# Altium PCB OctopusPB_r0102.PcbDoc (part 9 of 10)
Units mm, origin at the board's own origin, x right, y up, seen from the top; angles counter-clockwise.
Board outline 318 x 80 mm, 4 copper layers (Top Layer, Layer 1, Layer 2, Bottom Layer), stack 1.62 mm thick; 806 components, 346 nets, 2957 pads, 6733 vias.
Unrouted connection lines stored in the file: 1143.
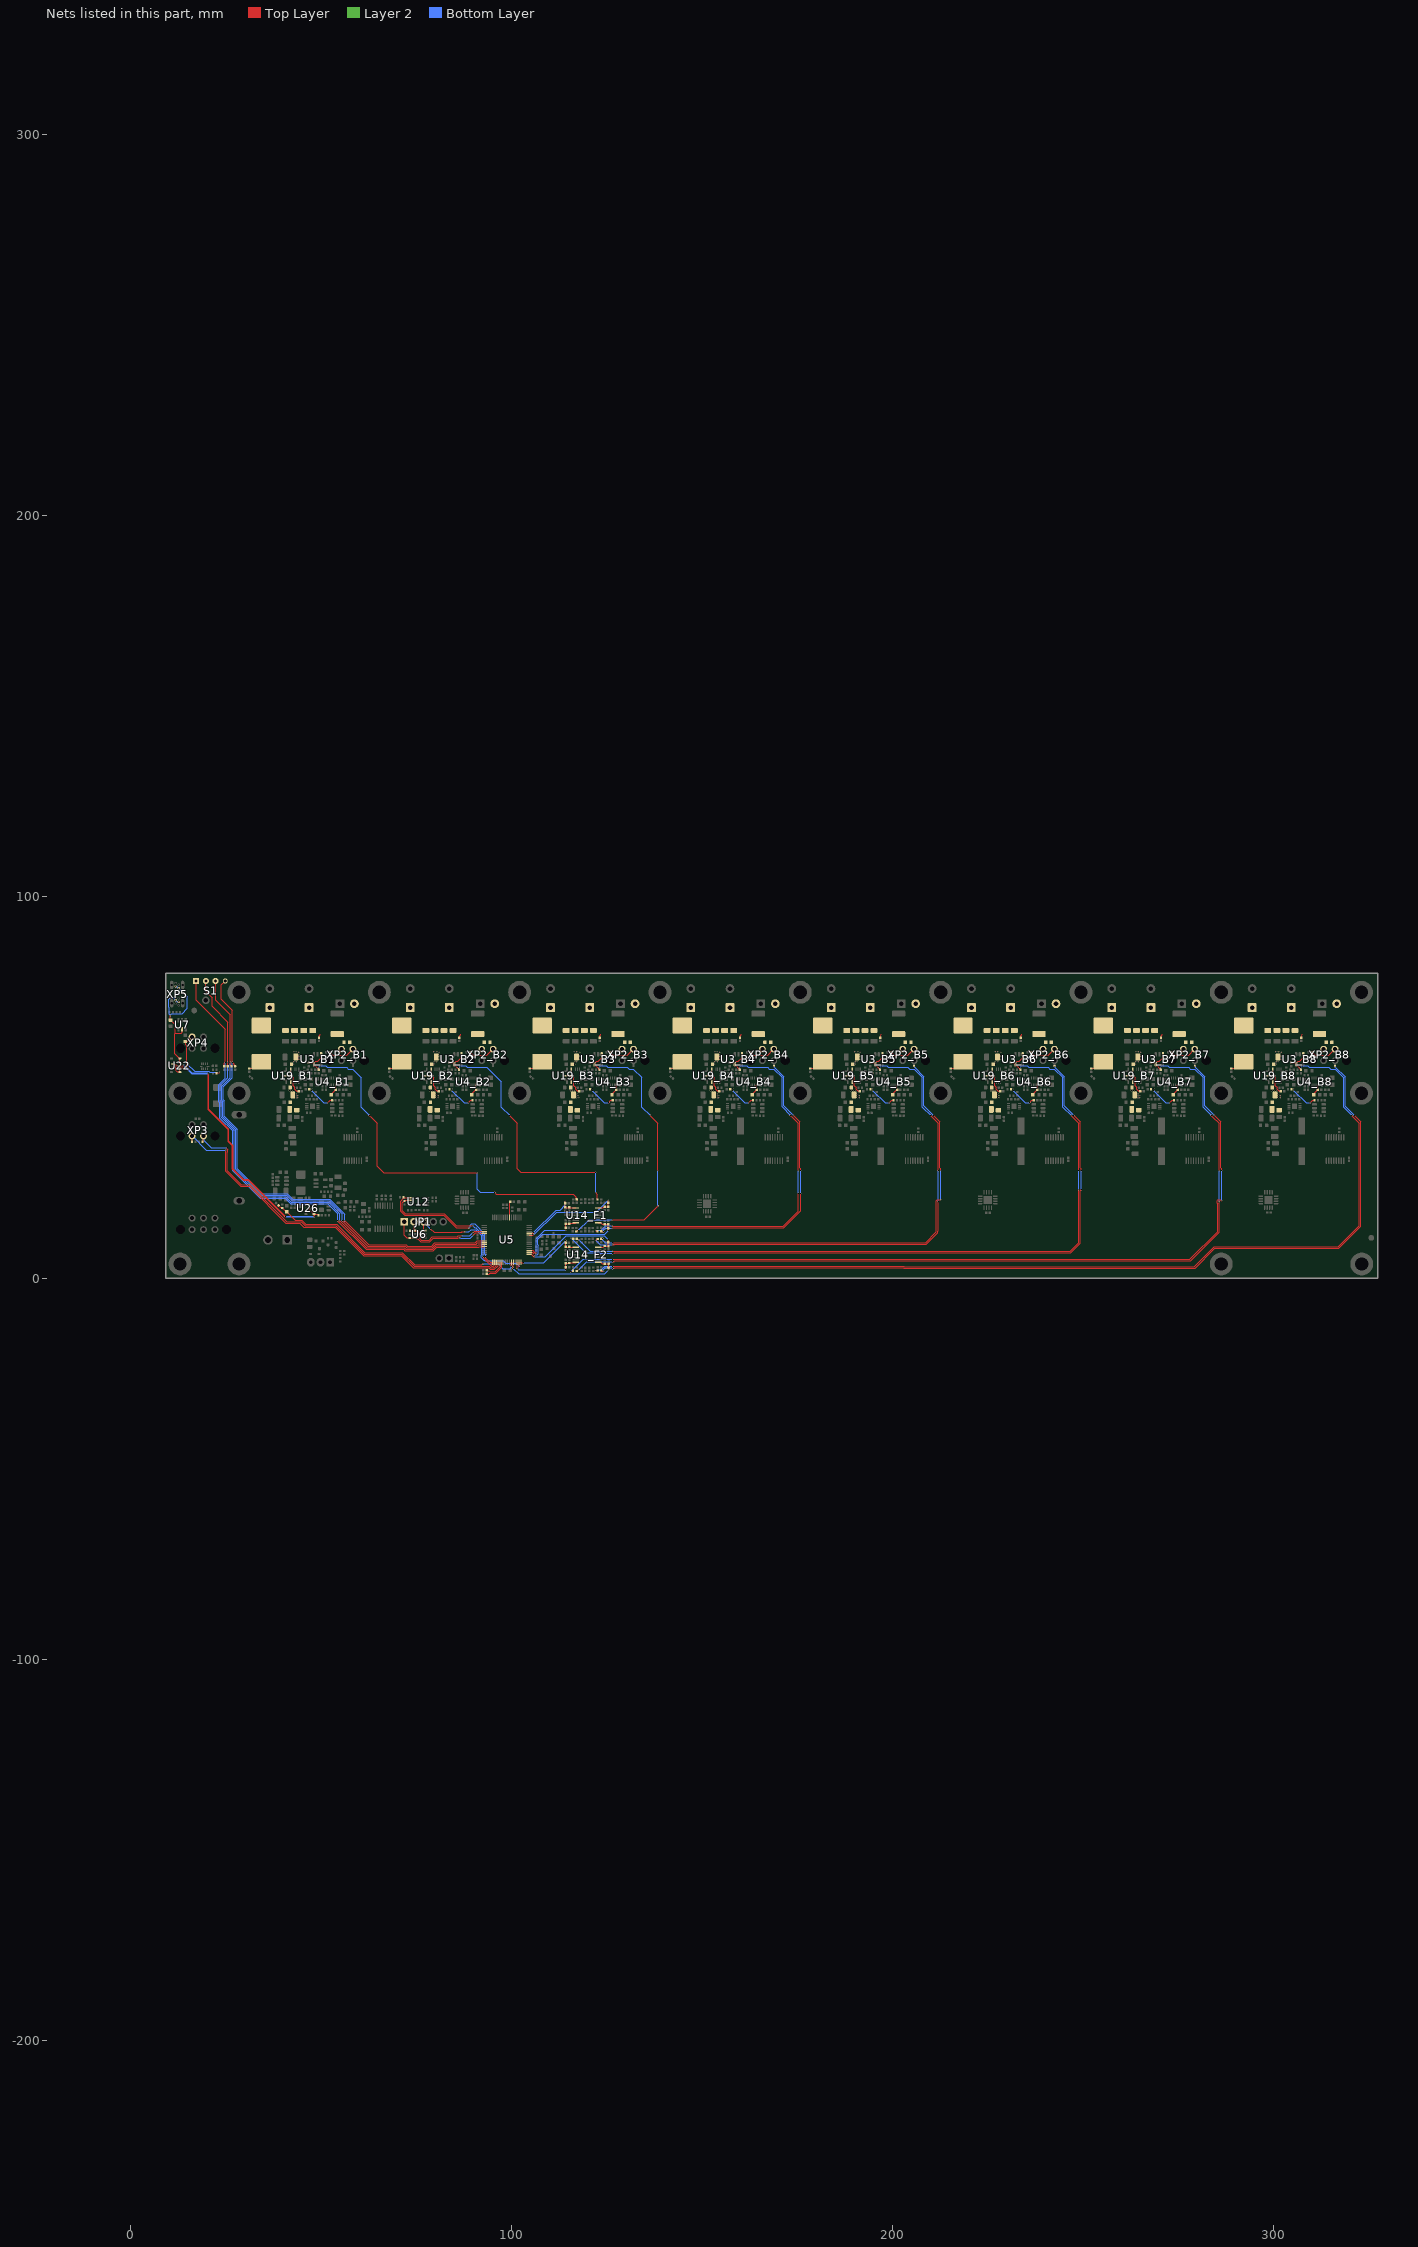
[diagram p11: the nets of this part, all layers, seen from the top]

## Via types
v1: diameter 0.4, hole 0.2, Top Layer to Bottom Layer, tented both sides, 6713 vias
v2: diameter 0.5, hole 0.2, Top Layer to Bottom Layer, tented both sides, 20 vias

## Nets (pads, with @x,y where several pads share a name; then routed paths per layer and width w, separated by ;. In a path a pad name is that pad's centre, name@x,y a point inside that pad or via, vN(x,y) a via of type N, cw(c..) or ccw(c..) an arc to the next point about the centre after c; other vN are vias at no path point) (continued)
PGND_ADC4: R16_F1.2 X1_B4.2 | length 95.6
  Top Layer w0.2: R16_F1.2@123.5,12.285 123.635,12.15 124.125,12.15 v1(124.15,12.175) ; v1(126.425,13.125) 126.55,13.25 171.466,13.25 175.85,17.634 v1(175.85,22.225) ; v1(173.875,42.725) 175.6,41 175.6,29 175.85,28.75 v1(175.85,28.2)
  Bottom Layer w0.2: v1(124.15,12.175) 124.188,12.213 124.188,12.64 124.673,13.125 v1(126.425,13.125) ; v1(168.8,55.425) 171.382,52.843 171.382,45.218 v1(173.875,42.725) ; v1(175.85,22.225) v1(175.85,28.2)
PGND_ADC5: R61_F2.2 X1_B5.2 | length 137.2
  Top Layer w0.2: R61_F2.2@123.525,10.295 123.567,10.337 123.873,10.337 v1(123.911,10.375) ; v1(126.55,9.275) 208.65,9.275 211.475,12.1 211.475,20.333 211.667,20.525 v1(212.675,20.525) ; v1(210.7,42.725) 212.425,41 212.425,29 212.675,28.75 v1(212.675,28.2)
  Bottom Layer w0.2: v1(123.911,10.375) 123.933,10.354 123.933,9.875 124.533,9.275 v1(126.55,9.275) ; v1(205.625,55.425) 208.214,52.836 208.214,45.211 v1(210.7,42.725) ; v1@212.675,20.5 v1(212.675,28.2)
PGND_ADC6: R53_F2.2 X1_B6.2 | length 186.5
  Top Layer w0.2: v1(115.6,10.45) 115.625,10.425 116.07,10.425 R53_F2.2@116.2,10.295 ; v1(126.556,6.425) 126.594,6.464 126.914,6.464 127.1,6.65 246.816,6.65 249.275,9.109 249.275,22.875 249.375,22.975 249.375,23.046 249.5,23.171 v1(249.5,23.225) ; v1(247.525,42.725) 249.25,41 249.25,29 249.5,28.75 v1(249.5,28.2)
  Bottom Layer w0.2: v1(115.6,10.45) 119.45,6.6 123.002,6.6 123.052,6.55 126.439,6.55 126.556,6.433 v1(126.556,6.425) ; v1(242.45,55.425) 245.046,52.829 245.046,45.204 v1(247.525,42.725) ; v1(249.5,23.225) v1(249.5,28.2)
PGND_ADC7: R60_F2.2 X1_B7.2 | length 222.4
  Top Layer w0.2: v1(115.525,1.7) 115.575,1.7 115.6,1.725 115.94,1.725 R60_F2.2@116.125,1.91 ; v1(126.525,4.925) 126.563,4.887 126.913,4.887 126.952,4.925 278.034,4.925 285.275,12.166 285.275,19.55 285.15,19.675 285.15,20.3 285.375,20.525 285.971,20.525 286.271,20.225 v1(286.325,20.225) ; v1(284.35,42.725) 286.075,41 286.075,29 286.325,28.75 v1(286.325,28.2)
  Bottom Layer w0.2: v1(115.525,1.7) 118.75,4.925 v1(126.525,4.925) ; v1(279.275,55.425) 281.904,52.796 281.904,45.171 v1(284.35,42.725) ; v1@286.325,20.325 v1(286.325,28.2)
PGND_ADC8: R16_F2.2 X1_B8.2 | length 249.4
  Top Layer w0.2: R16_F2.2@123.55,1.935 123.685,1.8 124.175,1.8 v1(124.2,1.825) ; v1(126.5,2.5) 126.538,2.538 126.888,2.538 127.05,2.7 202.824,2.7 202.899,2.625 279.377,2.625 284.552,7.8 317.141,7.8 322.9,13.559 322.9,41 v1(321.175,42.725)
  Bottom Layer w0.2: v1(124.2,1.825) 124.238,1.863 124.238,2.29 124.598,2.65 126.243,2.65 126.293,2.6 126.346,2.6 126.446,2.5 v1(126.5,2.5) ; v1(316.1,55.425) 318.76,52.765 318.76,45.14 v1(321.175,42.725)
PH_B1: C71_B1.1 L2_B1.1 R6_B1.1 U19_B1.10 | length 11.9
  Top Layer w0.2: L2_B1.1@32.375,55.03 32.605,55.03 L2_B1.1@34.35,56.775 ; U19_B1.10@41.4,53.075 41.475,53 41.9,53 41.925,52.975 42.275,52.975 42.275,52.95 42.7,52.525 ; 42.7,50.6 42.7,52.525 ; C71_B1.1@44.241,49.069 43.655,49.069 43.14,49.584 43.14,50.06 42.7,50.5 42.7,52.525
  Top Layer w0.3: R6_B1.1@31.125,55.03 31.15,55.055 32.35,55.055 L2_B1.1@32.375,55.03
PH_B2: C71_B2.1 L2_B2.1 R6_B2.1 U19_B2.10 | length 11.9
  Top Layer w0.2: L2_B2.1@69.2,55.03 69.43,55.03 L2_B2.1@71.175,56.775 ; U19_B2.10@78.225,53.075 78.3,53 78.725,53 78.75,52.975 79.1,52.975 79.1,52.95 79.525,52.525 ; 79.525,50.6 79.525,52.525 ; C71_B2.1@81.066,49.069 80.48,49.069 79.965,49.584 79.965,50.06 79.525,50.5 79.525,52.525
  Top Layer w0.3: R6_B2.1@67.95,55.03 67.975,55.055 69.175,55.055 L2_B2.1@69.2,55.03
PH_B3: C71_B3.1 L2_B3.1 R6_B3.1 U19_B3.10 | length 11.9
  Top Layer w0.2: L2_B3.1@106.025,55.03 106.255,55.03 L2_B3.1@108,56.775 ; U19_B3.10@115.05,53.075 115.125,53 115.55,53 115.575,52.975 115.925,52.975 115.925,52.95 116.35,52.525 ; 116.35,50.6 116.35,52.525 ; C71_B3.1@117.891,49.069 117.305,49.069 116.79,49.584 116.79,50.06 116.35,50.5 116.35,52.525
  Top Layer w0.3: R6_B3.1@104.775,55.03 104.8,55.055 106,55.055 L2_B3.1@106.025,55.03
PH_B4: C71_B4.1 L2_B4.1 R6_B4.1 U19_B4.10 | length 11.9
  Top Layer w0.2: L2_B4.1@142.85,55.03 143.08,55.03 L2_B4.1@144.825,56.775 ; U19_B4.10@151.875,53.075 151.95,53 152.375,53 152.4,52.975 152.75,52.975 152.75,52.95 153.175,52.525 ; 153.175,50.6 153.175,52.525 ; C71_B4.1@154.716,49.069 154.13,49.069 153.615,49.584 153.615,50.06 153.175,50.5 153.175,52.525
  Top Layer w0.3: R6_B4.1@141.6,55.03 141.625,55.055 142.825,55.055 L2_B4.1@142.85,55.03
PH_B5: C71_B5.1 L2_B5.1 R6_B5.1 U19_B5.10 | length 11.9
  Top Layer w0.2: L2_B5.1@179.675,55.03 179.905,55.03 L2_B5.1@181.65,56.775 ; U19_B5.10@188.7,53.075 188.775,53 189.2,53 189.225,52.975 189.575,52.975 189.575,52.95 190,52.525 ; 190,50.6 190,52.525 ; C71_B5.1@191.541,49.069 190.955,49.069 190.44,49.584 190.44,50.06 190,50.5 190,52.525
  Top Layer w0.3: R6_B5.1@178.425,55.03 178.45,55.055 179.65,55.055 L2_B5.1@179.675,55.03
PH_B6: C71_B6.1 L2_B6.1 R6_B6.1 U19_B6.10 | length 11.9
  Top Layer w0.2: L2_B6.1@216.5,55.03 216.73,55.03 L2_B6.1@218.475,56.775 ; U19_B6.10@225.525,53.075 225.6,53 226.025,53 226.05,52.975 226.4,52.975 226.4,52.95 226.825,52.525 ; 226.825,50.6 226.825,52.525 ; C71_B6.1@228.366,49.069 227.78,49.069 227.265,49.584 227.265,50.06 226.825,50.5 226.825,52.525
  Top Layer w0.3: R6_B6.1@215.25,55.03 215.275,55.055 216.475,55.055 L2_B6.1@216.5,55.03
PH_B7: C71_B7.1 L2_B7.1 R6_B7.1 U19_B7.10 | length 11.9
  Top Layer w0.2: L2_B7.1@253.325,55.03 253.555,55.03 L2_B7.1@255.3,56.775 ; U19_B7.10@262.35,53.075 262.425,53 262.85,53 262.875,52.975 263.225,52.975 263.225,52.95 263.65,52.525 ; 263.65,50.6 263.65,52.525 ; C71_B7.1@265.191,49.069 264.605,49.069 264.09,49.584 264.09,50.06 263.65,50.5 263.65,52.525
  Top Layer w0.3: R6_B7.1@252.075,55.03 252.1,55.055 253.3,55.055 L2_B7.1@253.325,55.03
PH_B8: C71_B8.1 L2_B8.1 R6_B8.1 U19_B8.10 | length 11.9
  Top Layer w0.2: L2_B8.1@290.15,55.03 290.38,55.03 L2_B8.1@292.125,56.775 ; U19_B8.10@299.175,53.075 299.25,53 299.675,53 299.7,52.975 300.05,52.975 300.05,52.95 300.475,52.525 ; 300.475,50.6 300.475,52.525 ; C71_B8.1@302.016,49.069 301.43,49.069 300.915,49.584 300.915,50.06 300.475,50.5 300.475,52.525
  Top Layer w0.3: R6_B8.1@288.9,55.03 288.925,55.055 290.125,55.055 L2_B8.1@290.15,55.03
PVIN_B1: C7_B1.1 C11_B1.1 C29_B1.1 C30_B1.1 C68_B1.1 C69_B1.1 FB1_B1.2 U19_B1.8 U19_B1.12
  other v1: 43.925,47.3 43.45,47.325 43.9,47.825 43.45,47.85 43.45,48.375 41.7,49.2 42.225,49.2 42.75,49.2 42.875,56.1 42.875,56.7 43.475,56.7 44.225,57.45 44.225,58.05 44.225,58.65 44.2,59.3 42.8,59.325 43.5,59.325
PVIN_B2: C7_B2.1 C11_B2.1 C29_B2.1 C30_B2.1 C68_B2.1 C69_B2.1 FB1_B2.2 U19_B2.8 U19_B2.12
  other v1: 80.75,47.3 80.275,47.325 80.725,47.825 80.275,47.85 80.275,48.375 78.525,49.2 79.05,49.2 79.575,49.2 79.7,56.1 79.7,56.7 80.3,56.7 81.05,57.45 81.05,58.05 81.05,58.65 81.025,59.3 79.625,59.325 80.325,59.325
PVIN_B3: C7_B3.1 C11_B3.1 C29_B3.1 C30_B3.1 C68_B3.1 C69_B3.1 FB1_B3.2 U19_B3.8 U19_B3.12
  other v1: 117.575,47.3 117.1,47.325 117.55,47.825 117.1,47.85 117.1,48.375 115.35,49.2 115.875,49.2 116.4,49.2 116.525,56.1 116.525,56.7 117.125,56.7 117.875,57.45 117.875,58.05 117.875,58.65 117.85,59.3 116.45,59.325 117.15,59.325
PVIN_B4: C7_B4.1 C11_B4.1 C29_B4.1 C30_B4.1 C68_B4.1 C69_B4.1 FB1_B4.2 U19_B4.8 U19_B4.12
  other v1: 154.4,47.3 153.925,47.325 154.375,47.825 153.925,47.85 153.925,48.375 152.175,49.2 152.7,49.2 153.225,49.2 153.35,56.1 153.35,56.7 153.95,56.7 154.7,57.45 154.7,58.05 154.7,58.65 154.675,59.3 153.275,59.325 153.975,59.325
PVIN_B5: C7_B5.1 C11_B5.1 C29_B5.1 C30_B5.1 C68_B5.1 C69_B5.1 FB1_B5.2 U19_B5.8 U19_B5.12
  other v1: 191.225,47.3 190.75,47.325 191.2,47.825 190.75,47.85 190.75,48.375 189,49.2 189.525,49.2 190.05,49.2 190.175,56.1 190.175,56.7 190.775,56.7 191.525,57.45 191.525,58.05 191.525,58.65 191.5,59.3 190.1,59.325 190.8,59.325
PVIN_B6: C7_B6.1 C11_B6.1 C29_B6.1 C30_B6.1 C68_B6.1 C69_B6.1 FB1_B6.2 U19_B6.8 U19_B6.12
  other v1: 228.05,47.3 227.575,47.325 228.025,47.825 227.575,47.85 227.575,48.375 225.825,49.2 226.35,49.2 226.875,49.2 227,56.1 227,56.7 227.6,56.7 228.35,57.45 228.35,58.05 228.35,58.65 228.325,59.3 226.925,59.325 227.625,59.325
PVIN_B7: C7_B7.1 C11_B7.1 C29_B7.1 C30_B7.1 C68_B7.1 C69_B7.1 FB1_B7.2 U19_B7.8 U19_B7.12
  other v1: 264.875,47.3 264.4,47.325 264.85,47.825 264.4,47.85 264.4,48.375 262.65,49.2 263.175,49.2 263.7,49.2 263.825,56.1 263.825,56.7 264.425,56.7 265.175,57.45 265.175,58.05 265.175,58.65 265.15,59.3 263.75,59.325 264.45,59.325
PVIN_B8: C7_B8.1 C11_B8.1 C29_B8.1 C30_B8.1 C68_B8.1 C69_B8.1 FB1_B8.2 U19_B8.8 U19_B8.12
  other v1: 301.7,47.3 301.225,47.325 301.675,47.825 301.225,47.85 301.225,48.375 299.475,49.2 300,49.2 300.525,49.2 300.65,56.1 300.65,56.7 301.25,56.7 302,57.45 302,58.05 302,58.65 301.975,59.3 300.575,59.325 301.275,59.325
PWR_IN_SNS: C75.1 R82.2 R86.2 U5.11 | length 69.6
  Top Layer w0.2: R82.2@38.822,19.028 39.295,18.555 39.64,18.555 R86.2@39.825,18.37 39.865,18.37 40.485,17.75 40.65,17.75 C75.1@41,17.4 43.2,15.2 44.948,15.2 46.048,14.1 54.087,14.1 61.487,6.7 71.341,6.7 74.541,3.5 92.225,3.5 v1(92.5,3.775) ; v1@99.972,3.201 99.972,4.09 U5.11@99.991,4.109
  Layer 2 w0.2: v1(100,3.025) v1@100.038,3.063
  Bottom Layer w0.2: v1(92.5,3.775) 92.538,3.737 96.463,3.737 97.7,2.5 99.696,2.5 99.962,2.766 99.962,2.986 v1(100,3.025)
RSW1: R106.1 S1.1 U5.60 | length 132.6
  Top Layer w0.2: S1.1@17.235,77.95 17.235,72.95 24.9,65.285 v1(24.9,56.625) 24.625,56.35 24.625,55.61 R106.1@24.6,55.585 ; v1(54.328,15.076) 54.328,15.06 54.293,15.025 61.818,7.5 71.672,7.5 71.997,7.175 79.494,7.175 80.369,8.05 87.486,8.05 87.511,8.075 91.384,8.075 91.568,8.259 U5.60@92.816,8.259
  Bottom Layer w0.2: v1(24.9,56.625) 24.9,52.42 23.175,50.695 23.175,46.305 23.45,46.03 23.45,41.978 26.825,38.603 26.825,28.178 34.103,20.9 40.621,20.9 42.071,19.45 51.698,19.45 54.328,16.821 v1(54.328,15.076)
RSW2: R107.1 S1.2 U5.59 | length 131.2
  Top Layer w0.2: S1.2@19.775,77.95 19.775,75.225 21.4,73.6 21.4,71.325 25.55,67.175 v1(25.55,56.6) R107.1@25.55,55.585 ; v1(54.95,15.075) 54.95,14.975 62.025,7.9 71.848,7.9 72.173,7.575 79.328,7.575 80.203,8.45 87.32,8.45 87.345,8.475 91.045,8.475 91.33,8.759 U5.59@92.816,8.759
  Bottom Layer w0.2: v1(25.55,56.6) 25.55,52.505 23.575,50.53 23.575,46.47 23.85,46.195 23.85,42.144 27.225,38.769 27.225,28.344 34.269,21.3 40.787,21.3 42.237,19.85 52.016,19.85 54.95,16.916 v1(54.95,15.075)
RSW3: R108.1 S1.4 U5.58 | length 129.9
  Top Layer w0.2: S1.4@22.315,77.95 22.315,72.95 26.151,69.114 v1(26.151,56.6) 26.151,55.985 26.5,55.636 R108.1@26.5,55.585 ; v1(55.625,15.05) 55.625,14.975 62.3,8.3 72.123,8.3 72.448,7.975 79.163,7.975 80.038,8.85 87.154,8.85 87.179,8.875 90.675,8.875 91.059,9.259 U5.58@92.816,9.259
  Bottom Layer w0.2: v1(26.151,56.6) 26.151,52.54 23.975,50.364 23.975,46.636 24.25,46.361 24.25,42.309 27.625,38.934 27.625,28.509 34.434,21.7 40.952,21.7 42.402,20.25 52.181,20.25 55.625,16.806 v1(55.625,15.05)
RSW4: R109.1 S1.8 U5.57 | length 129.8
  Top Layer w0.2: S1.8@24.855,77.95 23.852,76.947 23.852,73.118 26.752,70.217 v1(26.752,56.589) 27.2,56.141 27.2,55.77 27.385,55.585 R109.1@27.425,55.585 ; v1(56.253,15.076) 56.253,14.972 62.525,8.7 72.348,8.7 72.673,8.375 78.997,8.375 79.872,9.25 86.988,9.25 87.013,9.275 90.509,9.275 90.993,9.759 U5.57@92.816,9.759
  Bottom Layer w0.2: v1(26.752,56.589) 26.752,52.576 24.375,50.198 24.375,46.802 24.65,46.527 24.65,42.475 28.025,39.1 28.025,28.675 34.6,22.1 41.118,22.1 42.568,20.65 52.347,20.65 56.225,16.772 56.225,14.968 56.333,15.076 v1(56.253,15.076)
SCL_INT: R50.1 U5.1 U12.1 | length 40.4
  Top Layer w0.2: R50.1@71.65,21.05 R50.1@71.709,21.05 ; U12.1@73.25,21.05 R50.1@71.709,21.05 ; v1(88.8,13.1) 88.7,13.2 85.45,13.2 82.225,16.425 71.932,16.425 70.875,17.482 70.875,19.3 70.875,20.216 R50.1@71.709,21.05 ; v1(93.225,5.625) 93.25,5.6 93.25,5.25 94.391,4.109 U5.1@94.966,4.109 U5.1@94.966,3.509
  Bottom Layer w0.2: v1(88.8,13.1) 89.178,13.478 89.178,13.868 89.517,14.208 90.284,14.208 93,11.491 93,6.325 93.225,6.1 v1(93.225,5.625)
SCL_METER: R27.1 U5.3 XP3.4 | length 98.3
  Top Layer w0.2: R27.1@18.905,35.685 R27.1@18.905,35.725 19.028,35.847 19.028,37.162 XP3.4@19.15,37.285 XP3.4@19.05,37.285 ; v1(25.4,34.2) 25.438,34.162 25.438,33.869 25.5,33.807 25.5,33.2 25.4,33.1 25.4,28.2 29.1,24.5 31.266,24.5 40.966,14.8 44.783,14.8 45.883,13.7 53.921,13.7 61.321,6.3 71.175,6.3 74.395,3.08 94.18,3.08 94.6,2.659 95.318,2.659 95.947,3.288 95.947,4.09 U5.3@95.966,4.109
  Bottom Layer w0.2: XP3.4@19.15,37.285 19.315,37.12 19.315,36.085 21.2,34.2 v1(25.4,34.2) v1@25.438,34.162
SDA_INT: R51.1 U5.2 U12.2 | length 39
  Top Layer w0.2: R51.1@71.855,20.275 71.932,20.352 73.202,20.352 U12.2@73.25,20.4 ; R51.1@71.9,20.23 71.715,20.045 71.545,20.045 71.275,19.775 71.275,17.647 72.097,16.825 82.391,16.825 85.516,13.7 v1(89.825,13.7) ; v1(92.6,5.6) 92.65,5.55 92.65,5.175 94.766,3.059 95.152,3.059 95.447,3.354 95.447,4.09 U5.2@95.466,4.109
  Bottom Layer w0.2: v1(89.825,13.7) 90.392,13.133 90.733,13.133 90.778,13.088 90.787,13.088 92.6,11.275 v1(92.6,5.6)
SDA_METER: R28.1 U5.4 XP3.3 | length 101
  Top Layer w0.2: XP3.3@16.15,37.285 16.15,35.78 R28.1@16.225,35.705 ; v1(25,33.6) 25,28.034 28.934,24.1 31.1,24.1 40.8,14.4 44.41,14.4 45.51,13.3 53.755,13.3 61.155,5.9 71.003,5.9 73.983,2.92 ; 73.986,2.923 74.234,2.675 93.975,2.675 94.391,2.259 95.484,2.259 96.447,3.222 96.447,4.09 U5.4@96.466,4.109
  Bottom Layer w0.2: XP3.3@16.15,37.285 19.835,33.6 v1(25,33.6)
STS_LED: R34.1 U5.39 | length 4.2
  Top Layer w0.2: U5.39@99.466,15.909 99.485,15.928 99.485,19.815 R34.1@99.67,20
SWCLK: JP1.2 R32.1 U5.52 U6.1 | length 24.7
  Top Layer w0.2: R32.1@73.33,12.45 74.6,12.45 74.41,12.64 JP1.2@74.41,14.775 ; U6.1@74.625,12.475 74.825,12.275 75.388,12.275 75.925,11.738 75.925,10.403 76.353,9.975 78.334,9.975 79.234,10.875 85.755,10.875 85.955,11.075 v1(86.875,11.075) ; v1(89.792,11.833) 90.279,12.32 91.614,12.32 91.675,12.259 U5.52@92.816,12.259
  Bottom Layer w0.2: v1(86.875,11.075) 89.034,11.075 v1(89.792,11.833)
SWDIO: JP1.1 R31.1 U5.53 U6.3 | length 26.4
  Top Layer w0.2: JP1.1@71.87,14.775 71.835,14.74 71.835,11.265 72.555,10.545 R31.1@73.325,10.545 73.34,10.56 74.61,10.56 U6.3@74.625,10.575 74.925,10.575 75.125,10.375 75.4,10.375 75.4,10.334 76.159,9.575 78.5,9.575 79.4,10.475 85.921,10.475 85.958,10.512 86.412,10.512 v1(86.45,10.55) ; v1(89.883,11.217) 90.586,11.92 91.448,11.92 91.609,11.759 U5.53@92.816,11.759
  Bottom Layer w0.2: v1(86.45,10.55) 86.55,10.45 89.116,10.45 v1(89.883,11.217)
SWO: JP1.3 U5.15 U6.6 | length 38
  Top Layer w0.2: JP1.3@76.95,14.775 76.95,12.55 U6.6@77.025,12.475 ; v1(78.7,12.95) 79.675,11.975 86.863,11.975 86.988,12.1 v1(87.775,12.1) ; U5.15@101.983,4.101 101.983,2.822 v1(102.029,2.775)
  Bottom Layer w0.2: JP1.3@76.95,14.775 76.95,14.738 78.7,12.988 v1(78.7,12.95) ; v1(87.775,12.1) 88.784,12.1 89.417,12.733 90.567,12.733 92.144,11.156 92.144,6.052 92.1,6.008 92.1,5.275 92.7,4.675 92.873,4.675 93.011,4.537 97.816,4.537 98.427,3.925 101.1,3.925 101.961,3.064 101.961,2.843 v1(102.029,2.775)
USB_D+: R38.1 U5.5 | length 5.4
  Top Layer w0.2: R38.1@93.48,2.15 93.48,2.12 93.665,1.935 94.065,1.935 94.375,1.625 95.659,1.625 96.966,2.932 U5.5@96.966,4.109
USB_D-: R41.1 U5.6 | length 6
  Top Layer w0.2: R41.1@93.48,1.075 93.555,1 94.1,1 94.325,1.225 95.825,1.225 97.449,2.849 97.449,4.092 U5.6@97.466,4.109
VBUS_CUSB: C36.1 D3.2 U7.5 U22.A2 XP5.A4 XP5.A9 XP5.B4 XP5.B9 | length 39.5
  Top Layer w0.2: 11.595,64.17 11.7,64.275 13.325,64.275 13.525,64.475 U7.5@13.525,65.25 U7.5@13.525,65.55 ; 11.6,59 11.6,61.425 ; D3.2@12.809,57.65 D3.2@12.945,57.65
  Top Layer w0.3: v1(10.375,68.9) 10.394,68.881 10.394,67.806 C36.1@10.5,67.7 10.525,67.7 11.75,66.475 11.75,64.325 11.7,64.275 ; 11.595,64.17 11.595,58.85 12.795,57.65 D3.2@12.809,57.65 ; D3.2@12.945,57.65 12.975,57.62 U22.A2@12.975,56.275
  Bottom Layer w0.2: 10.077,73.173 10.05,73.146 10.05,71.075 10.1,71.025 ; XP5.B9@11.85,76.525 11.876,76.499 12.206,76.499 XP5.A4@12.63,76.075 ; XP5.B4@11.952,72.925 XP5.B4@11.85,72.925 12.274,72.501 12.604,72.501 XP5.A9@12.63,72.475
  Bottom Layer w0.3: 10.077,73.173 10.479,73.575 11.181,73.575 11.831,72.925 XP5.B4@11.85,72.925 ; 10.1,71.025 10.1,69.202 10.375,68.927 v1(10.375,68.9) 10.875,69.4 13.525,69.4 14.87,70.745 14.87,73.854 12.649,76.075 XP5.A4@12.63,76.075
VBUS_METER: C56.1 D6.2 R14.2 R40.2 U22.B1 U22.C2 XP4.1 | length 26.6
  Top Layer w0.2: R40.2@11.1,56.205 11.239,56.066 11.725,56.066 11.87,55.92 ; U22.B1@12.475,55.775 12.016,55.775 11.87,55.92 ; U22.C2@12.975,55.275 12.965,55.265 12.965,54.065 D6.2@12.925,54.025 12.79,54.16 12.233,54.16 11.87,54.523 11.87,55.92
  Top Layer w0.3: U22.C2@12.975,55.275 13.056,55.194 14.244,55.194 14.775,55.725 v1(14.775,56.3) 14.775,60.859 14.459,61.175 14.459,61.991 C56.1@14.375,62.075 14.45,62.15 15.015,62.15 XP4.1@16.15,63.285 ; R14.2@22.53,53.775 22.53,53.796 22.665,53.931 23.231,53.931 v1(23.25,53.95)
  Bottom Layer w0.3: v1(14.775,56.3) 16.8,54.275 20.503,54.275 20.828,53.95 v1(23.25,53.95)
VOUT_B1: C13_B1.1 C14_B1.1 C15_B1.1 C16_B1.1 C17_B1.1 C18_B1.1 C19_B1.1 FB2_B1.1 L2_B1.2 R9_B1.2 R10_B1.2 R83_B1.2 XP2_B1.1 | length 7.9
  Top Layer w0.3: C14_B1.1@49.475,63.09 49.55,63.165 49.55,63.575 49.775,63.8 49.775,63.925 ; v1(51.803,46.002) 52.425,46.625 R10_B1.2@52.92,46.625
  Bottom Layer w0.3: v1(47.525,49.2) 50.723,46.002 v1(51.803,46.002)
  other v1: 47.55,49.675
VOUT_B2: C13_B2.1 C14_B2.1 C15_B2.1 C16_B2.1 C17_B2.1 C18_B2.1 C19_B2.1 FB2_B2.1 L2_B2.2 R9_B2.2 R10_B2.2 R83_B2.2 XP2_B2.1 | length 7.9
  Top Layer w0.3: C14_B2.1@86.3,63.09 86.375,63.165 86.375,63.575 86.6,63.8 86.6,63.925 ; v1(88.628,46.002) 89.25,46.625 R10_B2.2@89.745,46.625
  Bottom Layer w0.3: v1(84.35,49.2) 87.548,46.002 v1(88.628,46.002)
  other v1: 84.375,49.675
VOUT_B3: C13_B3.1 C14_B3.1 C15_B3.1 C16_B3.1 C17_B3.1 C18_B3.1 C19_B3.1 FB2_B3.1 L2_B3.2 R9_B3.2 R10_B3.2 R83_B3.2 XP2_B3.1 | length 7.9
  Top Layer w0.3: C14_B3.1@123.125,63.09 123.2,63.165 123.2,63.575 123.425,63.8 123.425,63.925 ; v1(125.453,46.002) 126.075,46.625 R10_B3.2@126.57,46.625
  Bottom Layer w0.3: v1(121.175,49.2) 124.373,46.002 v1(125.453,46.002)
  other v1: 121.2,49.675
VOUT_B4: C13_B4.1 C14_B4.1 C15_B4.1 C16_B4.1 C17_B4.1 C18_B4.1 C19_B4.1 FB2_B4.1 L2_B4.2 R9_B4.2 R10_B4.2 R83_B4.2 XP2_B4.1 | length 7.9
  Top Layer w0.3: C14_B4.1@159.95,63.09 160.025,63.165 160.025,63.575 160.25,63.8 160.25,63.925 ; v1(162.278,46.002) 162.9,46.625 R10_B4.2@163.395,46.625
  Bottom Layer w0.3: v1(158,49.2) 161.198,46.002 v1(162.278,46.002)
  other v1: 158.025,49.675
VOUT_B5: C13_B5.1 C14_B5.1 C15_B5.1 C16_B5.1 C17_B5.1 C18_B5.1 C19_B5.1 FB2_B5.1 L2_B5.2 R9_B5.2 R10_B5.2 R83_B5.2 XP2_B5.1 | length 7.9
  Top Layer w0.3: C14_B5.1@196.775,63.09 196.85,63.165 196.85,63.575 197.075,63.8 197.075,63.925 ; v1(199.103,46.002) 199.725,46.625 R10_B5.2@200.22,46.625
  Bottom Layer w0.3: v1(194.825,49.2) 198.023,46.002 v1(199.103,46.002)
  other v1: 194.85,49.675
VOUT_B6: C13_B6.1 C14_B6.1 C15_B6.1 C16_B6.1 C17_B6.1 C18_B6.1 C19_B6.1 FB2_B6.1 L2_B6.2 R9_B6.2 R10_B6.2 R83_B6.2 XP2_B6.1 | length 7.9
  Top Layer w0.3: C14_B6.1@233.6,63.09 233.675,63.165 233.675,63.575 233.9,63.8 233.9,63.925 ; v1(235.928,46.002) 236.55,46.625 R10_B6.2@237.045,46.625
  Bottom Layer w0.3: v1(231.65,49.2) 234.848,46.002 v1(235.928,46.002)
  other v1: 231.675,49.675
VOUT_B7: C13_B7.1 C14_B7.1 C15_B7.1 C16_B7.1 C17_B7.1 C18_B7.1 C19_B7.1 FB2_B7.1 L2_B7.2 R9_B7.2 R10_B7.2 R83_B7.2 XP2_B7.1 | length 7.9
  Top Layer w0.3: C14_B7.1@270.425,63.09 270.5,63.165 270.5,63.575 270.725,63.8 270.725,63.925 ; v1(272.753,46.002) 273.375,46.625 R10_B7.2@273.87,46.625
  Bottom Layer w0.3: v1(268.475,49.2) 271.673,46.002 v1(272.753,46.002)
  other v1: 268.5,49.675
VOUT_B8: C13_B8.1 C14_B8.1 C15_B8.1 C16_B8.1 C17_B8.1 C18_B8.1 C19_B8.1 FB2_B8.1 L2_B8.2 R9_B8.2 R10_B8.2 R83_B8.2 XP2_B8.1 | length 7.9
  Top Layer w0.3: C14_B8.1@307.25,63.09 307.325,63.165 307.325,63.575 307.55,63.8 307.55,63.925 ; v1(309.578,46.002) 310.2,46.625 R10_B8.2@310.695,46.625
  Bottom Layer w0.3: v1(305.3,49.2) 308.498,46.002 v1(309.578,46.002)
  other v1: 305.325,49.675
VOUT_CH1: C25_F1.2 C78_F1.1 R18_F1.1 U5.28 U14_F1.1 | length 18
  Top Layer w0.2: U5.28@104.616,11.759 104.635,11.778 105.576,11.778 105.723,11.926 v1(105.755,11.926) ; v1(114.15,20.2) 114.15,19.605 C78_F1.1@114.135,19.59 114.13,19.585 114.13,18.56 C25_F1.2@114.125,18.555 114.215,18.465 116.75,18.465 U14_F1.1@116.825,18.39
  Bottom Layer w0.2: v1(105.755,11.926) 111.68,17.85 112.8,17.85 114.15,19.2 v1(114.15,20.2)
VOUT_CH2: C82_F1.2 C87_F1.1 R56_F1.1 U5.27 U14_F1.14 | length 29
  Top Layer w0.2: U5.27@104.616,11.259 105.71,11.259 105.776,11.326 v1(105.83,11.326) ; U14_F1.14@122.725,18.39 124.05,18.39 124.385,18.725 R56_F1.1@124.425,18.725 124.428,18.728 125.398,18.728 C82_F1.2@125.4,18.73 125.365,18.765 C87_F1.1@125.365,19.765 125.365,20.375 v1(125.325,20.415)